# KiCad board UFC_Main.kicad_pcb (continued)
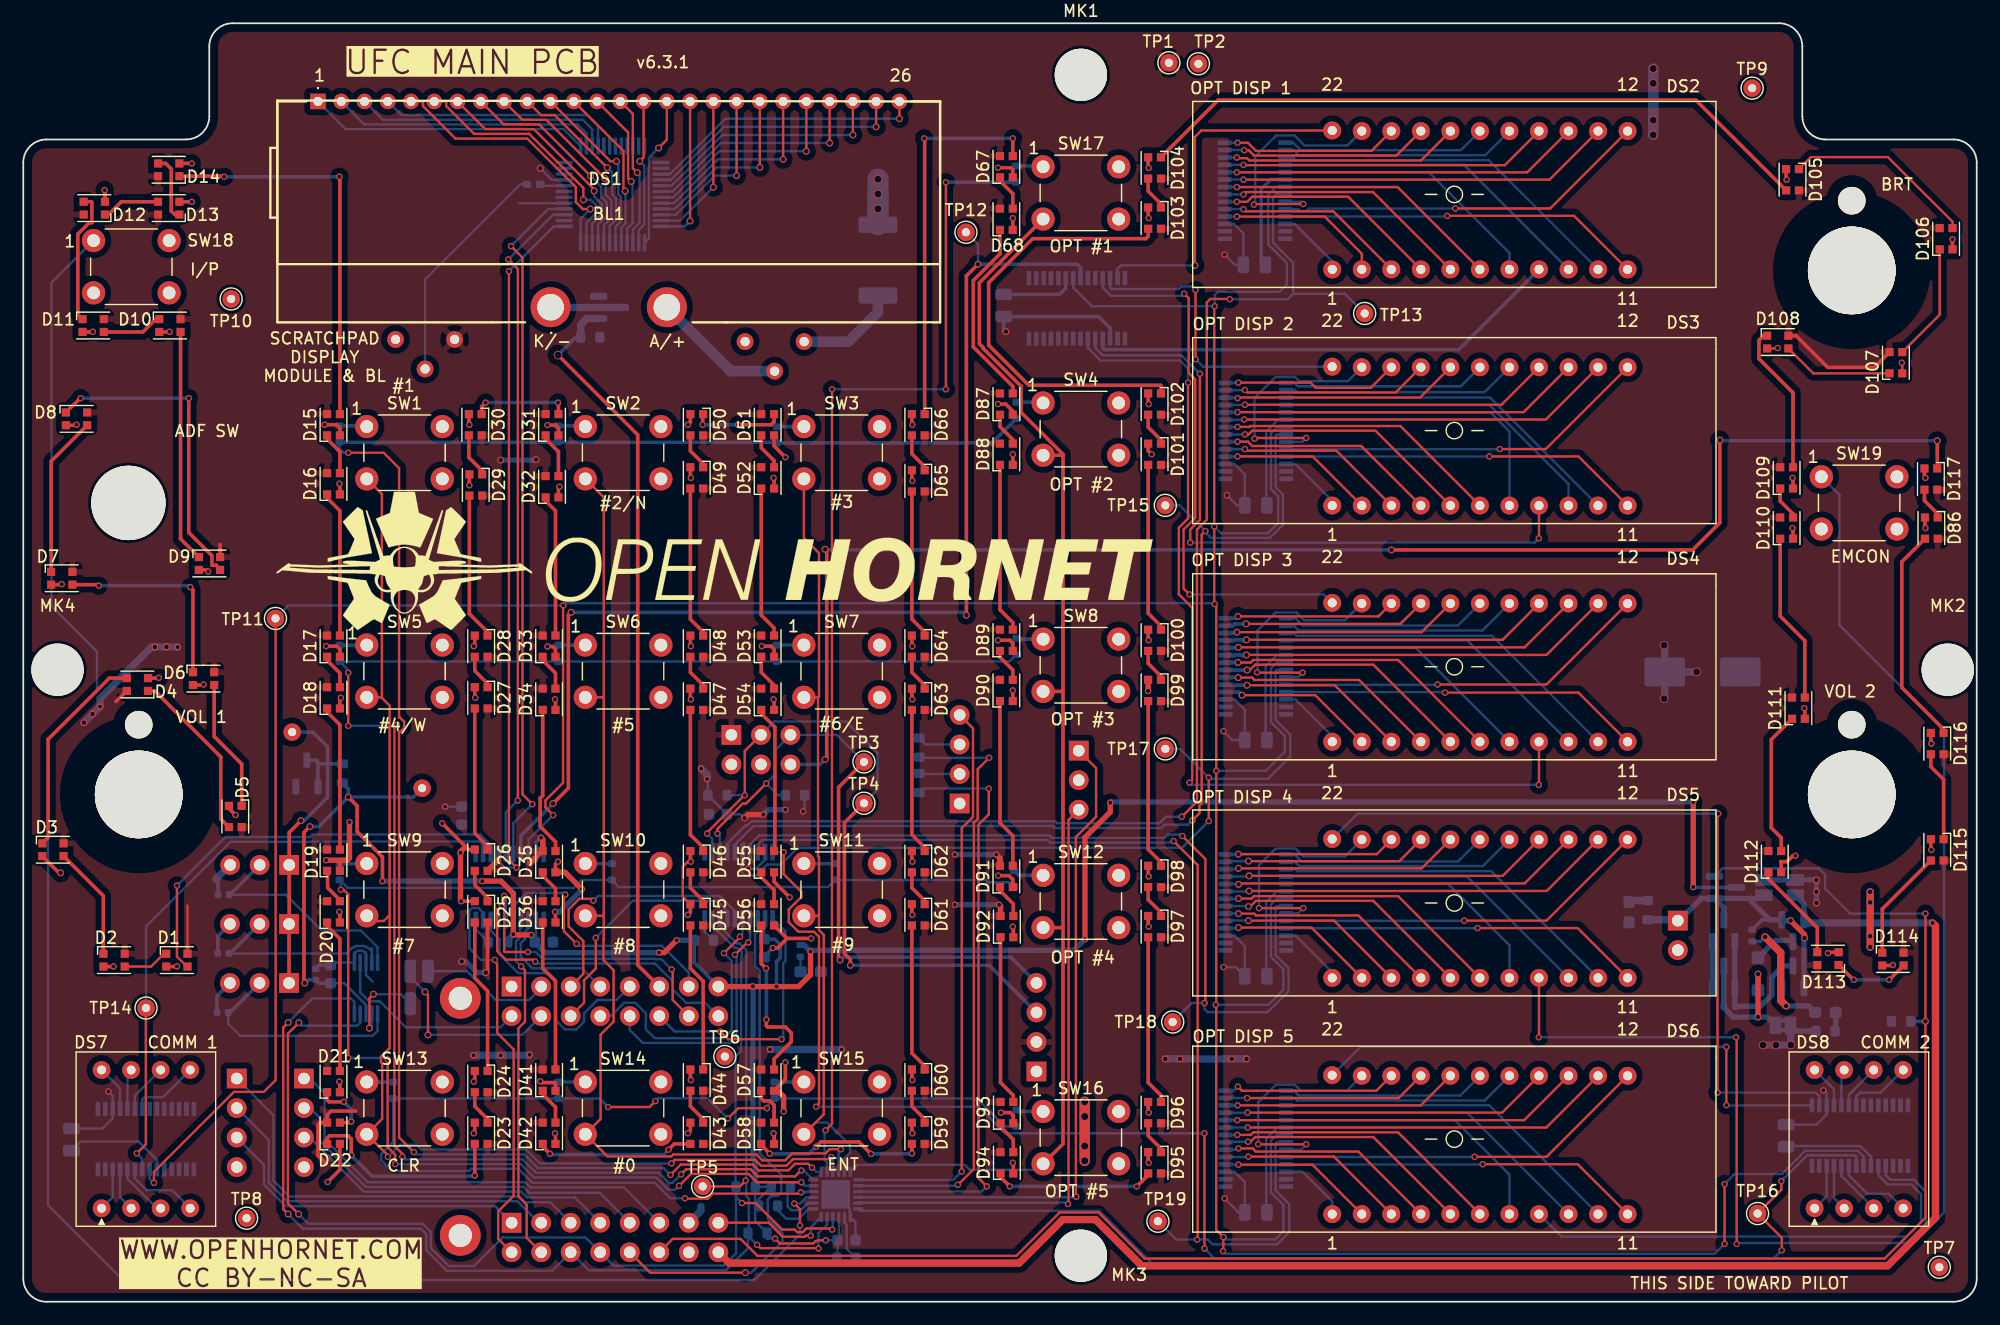
[diagram p0: board, top side]
## Library data of the parts (continued)
R5 = -: Datasheet: https://datasheet.lcsc.com/szlcsc/1811062009_UNI-ROYAL-Uniroyal-Elec-0603WAF1002T5E_C25804.pdf; LCSC: C25804; PN: 0603WAF1002T5E; Manufacturer PN: 0603WAF1002T5E; ki_fp_filters: R_*
R6 R14 = -: Datasheet: https://jlcpcb.com/partdetail/26484-0402WGF1003TCE/C25741; LCSC: C25741; Manufacturer PN: 0402WGF1003TCE; PN: 0402WGF1003TCE; ki_fp_filters: R_*
R13 R43-R45 = -: Datasheet: https://datasheet.lcsc.com/szlcsc/Uniroyal-Elec-0603WAF1200T5E_C22787.pdf; LCSC: C22787; Manufacturer PN: 0603WAF1200T5E; PN: 0603WAF1200T5E; ki_fp_filters: R_*
R15 = -: Datasheet: https://datasheet.lcsc.com/szlcsc/Uniroyal-Elec-0603WAF1200T5E_C22787.pdf; LCSC: C22787; PN: 0603WAF1200T5E; Manufacturer PN: 0603WAF1200T5E; ki_fp_filters: R_*
R46 = -: Datasheet: https://datasheet.lcsc.com/szlcsc/Uniroyal-Elec-0402WGF2001TCE_C4109.pdf; LCSC: C25105; Manufacturer PN: 0402WGF330JTCE; PN: 0402WGF330JTCE; ki_fp_filters: R_*
RV1 = -: Datasheet: https://www.bourns.com/docs/Product-Datasheets/3386.pdf; Description: Trim-potentiometer; Manufacturer PN: 3386P-1-102LF; PN: 3386P-1-102LF; ki_fp_filters: Potentiometer*
RV2 = -: Datasheet: https://www.bourns.com/docs/Product-Datasheets/3386.pdf; Description: Trim-potentiometer; Manufacturer PN: 3386P-1-103LF; PN: 3386P-1-103LF; ki_fp_filters: Potentiometer*
SW1 = -: Datasheet: https://omronfs.omron.com/en_US/ecb/products/pdf/en-b3f.pdf; Position: 1 SW
SW2 = -: Datasheet: https://omronfs.omron.com/en_US/ecb/products/pdf/en-b3f.pdf; Position: 2/N SW
SW3 = -: Datasheet: https://omronfs.omron.com/en_US/ecb/products/pdf/en-b3f.pdf; Position: 3 SW
SW4 = -: Datasheet: https://omronfs.omron.com/en_US/ecb/products/pdf/en-b3f.pdf; Position: OP2 SW
SW5 = -: Datasheet: https://omronfs.omron.com/en_US/ecb/products/pdf/en-b3f.pdf; Position: 4/W SW
SW6 = -: Datasheet: https://omronfs.omron.com/en_US/ecb/products/pdf/en-b3f.pdf; Position: 5 SW
SW7 = -: Datasheet: https://omronfs.omron.com/en_US/ecb/products/pdf/en-b3f.pdf; Position: 6/E SW
SW8 = -: Datasheet: https://omronfs.omron.com/en_US/ecb/products/pdf/en-b3f.pdf; Position: OP3 SW
SW9 = -: Datasheet: https://omronfs.omron.com/en_US/ecb/products/pdf/en-b3f.pdf; Position: 7 SW
SW10 = -: Datasheet: https://omronfs.omron.com/en_US/ecb/products/pdf/en-b3f.pdf; Position: 8/S SW
SW11 = -: Datasheet: https://omronfs.omron.com/en_US/ecb/products/pdf/en-b3f.pdf; Position: 9 SW
SW12 = -: Datasheet: https://omronfs.omron.com/en_US/ecb/products/pdf/en-b3f.pdf; Position: OP4 SW
SW13 = -: Datasheet: https://omronfs.omron.com/en_US/ecb/products/pdf/en-b3f.pdf; Position: CLR SW
SW14 = -: Datasheet: https://omronfs.omron.com/en_US/ecb/products/pdf/en-b3f.pdf; Position: 0 SW
SW15 = -: Datasheet: https://omronfs.omron.com/en_US/ecb/products/pdf/en-b3f.pdf; Position: ENT SW
SW16 = -: Datasheet: https://omronfs.omron.com/en_US/ecb/products/pdf/en-b3f.pdf; Position: OP5 SW
SW17 = -: Datasheet: https://omronfs.omron.com/en_US/ecb/products/pdf/en-b3f.pdf; Position: OP1 SW
SW18 = -: Datasheet: https://omronfs.omron.com/en_US/ecb/products/pdf/en-b3f.pdf; Position: I/P SW
SW19 = -: Datasheet: https://omronfs.omron.com/en_US/ecb/products/pdf/en-b3f.pdf; Position: EMCON SW
TP1-TP21 = -: ki_fp_filters: Pin* Test*
U1 = -: Datasheet: https://datasheet.lcsc.com/lcsc/1809121513_Holtek-Semicon-HT1621B_C7532.pdf; LCSC: C7532
U2-U7 U11 U12 = -: Datasheet: https://datasheet.lcsc.com/lcsc/2103051837_GN-Semic-GN1640T_C2758330.pdf; LCSC: C2758330
U8 U9 = -: Datasheet: www.ti.com/lit/ds/symlink/txs0108e.pdf; LCSC: C17206; ki_fp_filters: *SSOP*4.4x6.5mm*P0.65mm*
U10 = -: Datasheet: https://www.ti.com/lit/ds/symlink/tca8418.pdf; LCSC: C138713
U13 = -: Datasheet: http://www.ti.com/lit/ds/symlink/ads1113.pdf; Description: Ultra-Small, Low-Power, I2C-Compatible, 860-SPS, 16-Bit ADCs With Internal Reference, Oscillator, and Programmable Comparator, VSSOP-10; LCSC: C37593; ki_fp_filters: TSSOP*3x3mm*P0.5mm*
U14 = -: Datasheet: https://www.analog.com/media/en/technical-documentation/data-sheets/ADR5040_5041_5043_5044_5045.pdf; Description: IC VREF SHUNT 0.2%, 2.048V 15mA; LCSC: C144273

## Footprints (pads in the part's own frame, mm; a bottom-side part is the same pattern mirrored in y, then rotated)
BR10K_Pot_11mm_x_11mm
  round 7.541 hole 7.54 unplated: (0,0) (0,0)
  round 2.381 hole 2.38 unplated: (0,-6)
C_0402_1005Metric
  rrect 0.56x0.62 smd: 1(-0.48,0) 2(0.48,0)
C_0402_1005Metric_Pad0.74x0.62mm_HandSolder
  rrect 0.735x0.62 smd: 1(-0.568,0) 2(0.568,0)
C_0603_1608Metric
  rrect 0.9x0.95 smd: 1(-0.775,0) 2(0.775,0)
C_0805_2012Metric
  rrect 1x1.45 smd: 1(-0.95,0) 2(0.95,0)
CP_Elec_8x10
  rrect 3.5x2.5 smd: 1(-3.25,0) 2(3.25,0)
D_SOD-123F
  rrect 1.1x1.1 smd: 1(-1.4,0) 2(1.4,0)
D_SOD-523
  rrect 0.6x0.7 smd: 1(-0.7,0) 2(0.7,0)
LED_0603_1608Metric_Pad1.05x0.95mm_HandSolder
  rrect 1.05x0.95 smd: 1(-0.875,0) 2(0.875,0)
LED_WS2812B-2020_PLCC4_2.0x2.0mm
  rect 0.7x0.7 smd: 1(-0.915,0.55) 2(-0.915,-0.55) 3(0.915,-0.55) 4(0.915,0.55)
LQFP-48_7x7mm_P0.5mm
  rrect 1.475x0.3 smd: 1(-4.162,2.75) 2(-4.162,2.25) 3(-4.162,1.75) 4(-4.162,1.25) 5(-4.162,0.75) 6(-4.162,0.25) 7(-4.162,-0.25) 8(-4.162,-0.75) 9(-4.162,-1.25) 10(-4.162,-1.75) 11(-4.162,-2.25) 12(-4.162,-2.75) 25(4.162,-2.75) 26(4.162,-2.25) 27(4.162,-1.75) 28(4.162,-1.25) 29(4.162,-0.75) 30(4.162,-0.25) 31(4.162,0.25) 32(4.162,0.75) 33(4.162,1.25) 34(4.162,1.75) 35(4.162,2.25) 36(4.162,2.75)
  rrect 0.3x1.475 smd: 13(-2.75,-4.162) 14(-2.25,-4.162) 15(-1.75,-4.162) 16(-1.25,-4.162) 17(-0.75,-4.162) 18(-0.25,-4.162) 19(0.25,-4.162) 20(0.75,-4.162) 21(1.25,-4.162) 22(1.75,-4.162) 23(2.25,-4.162) 24(2.75,-4.162) 37(2.75,4.162) 38(2.25,4.162) 39(1.75,4.162) 40(1.25,4.162) 41(0.75,4.162) 42(0.25,4.162) 43(-0.25,4.162) 44(-0.75,4.162) 45(-1.25,4.162) 46(-1.75,4.162) 47(-2.25,4.162) 48(-2.75,4.162)
MountingHole_4.5mm
  round 4.5 hole 4.5 unplated: (0,0)
MountingHole_6.4mm_M6
  round 6.4 hole 6.4 unplated: (0,0)
Omron_B3F-1026
  round 2 hole 1.1: 1(0,0) 2(6.5,0) 3(0,-4.5) 4(6.5,-4.5)
PinHeader_1x02_P2.54mm_Vertical
  rect 1.7x1.7 hole 1: 1(0,0)
  oval 1.7x1.7 hole 1: 2(0,-2.54)
PinHeader_1x03_P2.54mm_Vertical
  rect 1.7x1.7 hole 1: 1(0,0)
  oval 1.7x1.7 hole 1: 2(0,-2.54) 3(0,-5.08)
PinHeader_1x04_P2.54mm_Vertical
  rect 1.7x1.7 hole 1: 1(0,0)
  oval 1.7x1.7 hole 1: 2(0,-2.54) 3(0,-5.08) 4(0,-7.62)
PinHeader_2x03_P2.54mm_Vertical
  rect 1.7x1.7 hole 1: 1(0,0)
  oval 1.7x1.7 hole 1: 2(2.54,0) 3(0,-2.54) 4(2.54,-2.54) 5(0,-5.08) 6(2.54,-5.08)
Potentiometer_Bourns_3386P_Vertical
  round 1.44 hole 0.8: 1(0,0) 2(2.54,2.54) 3(0,5.08)
R_0402_1005Metric
  rrect 0.54x0.64 smd: 1(-0.51,0) 2(0.51,0)
R_0603_1608Metric
  rrect 0.8x0.95 smd: 1(-0.825,0) 2(0.825,0)
R_2512_6332Metric_Pad1.40x3.35mm_HandSolder
  rrect 1.4x3.35 smd: 1(-3.05,0) 2(3.05,0)
S2_MINI
  rect 1.7x1.7 hole 1: 1(-11.43,11.43) 17(8.89,11.43)
  oval 1.7x1.7 hole 1: 2(-11.43,8.89) 3(-11.43,6.35) 4(-11.43,3.81) 5(-11.43,1.27) 6(-11.43,-1.27) 7(-11.43,-3.81) 8(-11.43,-6.35) 9(-8.89,11.43) 10(-8.89,8.89) 11(-8.89,6.35) 12(-8.89,3.81) 13(-8.89,1.27) 14(-8.89,-1.27) 15(-8.89,-3.81) 16(-8.89,-6.35) 18(8.89,8.89) 19(8.89,6.35) 20(8.89,3.81) 21(8.89,1.27) 22(8.89,-1.27) 23(8.89,-3.81) 24(8.89,-6.35) 25(11.43,11.43) 26(11.43,8.89) 27(11.43,6.35) 28(11.43,3.81) 29(11.43,1.27) 30(11.43,-1.27) 31(11.43,-3.81) 32(11.43,-6.35)
  round 3.5 hole 2: ~(-10.42,15.84) ~(9.98,15.84)
SCRATCHPADBACKLIGHT
  round 3.435 hole 2.29: 1(0,0) 2(10,0)
SCRATCHPADLCD
  rect 1.337x1.337 hole 0.78: 1(0,0)
  round 1.337 hole 0.78: 2(2,0) 3(4,0) 4(6,0) 5(8,0) 6(10,0) 7(12,0) 8(14,0) 9(16,0) 10(18,0) 11(20,0) 12(22,0) 13(24,0) 14(26,0) 15(28,0) 16(30,0) 17(32,0) 18(34,0) 19(36,0) 20(38,0) 21(40,0) 22(42,0) 23(44,0) 24(46,0) 25(48,0) 26(50,0)
SolderJumper-2_P1.3mm_Bridged2Bar_Pad1.0x1.5mm
  rect 1x1.5 smd: 1(-0.65,0) 2(0.65,0)
SolderJumper-2_P1.3mm_Open_Pad1.0x1.5mm
  rect 1x1.5 smd: 1(-0.65,0) 2(0.65,0)
SolderWirePad_1x01_SMD_1x2mm
  rrect 1x2 smd: 1(0,0)
SOT-23
  rrect 1.475x0.6 smd: 1(-0.938,0.95) 2(-0.938,-0.95) 3(0.938,0)
SOT-23-3
  rrect 1.325x0.6 smd: 1(-1.137,0.95) 2(-1.137,-0.95) 3(1.137,0)
SSOP-28_3.9x9.9mm_P0.635mm
  rect 1.2x0.4 smd: 1(-2.6,4.128) 2(-2.6,3.493) 3(-2.6,2.857) 4(-2.6,2.223) 5(-2.6,1.587) 6(-2.6,0.953) 7(-2.6,0.318) 8(-2.6,-0.318) 9(-2.6,-0.953) 10(-2.6,-1.587) 11(-2.6,-2.223) 12(-2.6,-2.857) 13(-2.6,-3.493) 14(-2.6,-4.128) 15(2.6,-4.128) 16(2.6,-3.493) 17(2.6,-2.857) 18(2.6,-2.223) 19(2.6,-1.587) 20(2.6,-0.953) 21(2.6,-0.318) 22(2.6,0.318) 23(2.6,0.953) 24(2.6,1.587) 25(2.6,2.223) 26(2.6,2.857) 27(2.6,3.493) 28(2.6,4.128)
TestPoint_THTPad_D1.5mm_Drill0.7mm
  round 1.5 hole 0.7: 1(0,0)
TSSOP-20_4.4x6.5mm_P0.65mm
  rrect 1.475x0.4 smd: 1(-2.862,2.925) 2(-2.862,2.275) 3(-2.862,1.625) 4(-2.862,0.975) 5(-2.862,0.325) 6(-2.862,-0.325) 7(-2.862,-0.975) 8(-2.862,-1.625) 9(-2.862,-2.275) 10(-2.862,-2.925) 11(2.862,-2.925) 12(2.862,-2.275) 13(2.862,-1.625) 14(2.862,-0.975) 15(2.862,-0.325) 16(2.862,0.325) 17(2.862,0.975) 18(2.862,1.625) 19(2.862,2.275) 20(2.862,2.925)
UFCOptionDigitV3
  round 1.544 hole 0.782: 1(-10.495,-6.45) 2(-7.955,-6.45) 3(-5.415,-6.45) 4(-2.875,-6.45) 5(-0.335,-6.45) 6(2.205,-6.45) 7(4.745,-6.45) 8(7.285,-6.45) 9(9.825,-6.45) 10(12.365,-6.45) 11(14.905,-6.45) 12(14.905,5.45) 13(12.365,5.45) 14(9.825,5.45) 15(7.285,5.45) 16(4.745,5.45) 17(2.205,5.45) 18(-0.335,5.45) 19(-2.875,5.45) 20(-5.415,5.45) 21(-7.955,5.45) 22(-10.5,5.5)
UFCSingleDigit
  round 1.524 hole 0.762: 1(-3.81,-5.95) 2(-1.27,-5.95) 3(1.27,-5.95) 4(3.81,-5.95) 5(3.81,5.95) 6(1.27,5.95) 7(-1.27,5.95) 8(-3.81,5.95)
VSSOP-10_3x3mm_P0.5mm
  rrect 1.45x0.3 smd: 1(-2.2,1) 2(-2.2,0.5) 3(-2.2,0) 4(-2.2,-0.5) 5(-2.2,-1) 6(2.2,-1) 7(2.2,-0.5) 8(2.2,0) 9(2.2,0.5) 10(2.2,1)
WQFN-24-1EP_4x4mm_P0.5mm_EP2.45x2.45mm
  rrect 0.99x0.99 smd: (-0.61,-0.61) (-0.61,0.61) (0.61,-0.61) (0.61,0.61)
  rrect 0.875x0.3 smd: 1(-1.938,1.25) 2(-1.938,0.75) 3(-1.938,0.25) 4(-1.938,-0.25) 5(-1.938,-0.75) 6(-1.938,-1.25) 13(1.938,-1.25) 14(1.938,-0.75) 15(1.938,-0.25) 16(1.938,0.25) 17(1.938,0.75) 18(1.938,1.25)
  rrect 0.3x0.875 smd: 7(-1.25,-1.938) 8(-0.75,-1.938) 9(-0.25,-1.938) 10(0.25,-1.938) 11(0.75,-1.938) 12(1.25,-1.938) 19(1.25,1.938) 20(0.75,1.938) 21(0.25,1.938) 22(-0.25,1.938) 23(-0.75,1.938) 24(-1.25,1.938)
  rect 2.45x2.45 smd: 25(0,0)

## Nets
+2V5: J3.1 J4.1 J8.1 R15.2 TP21.1 U14.1 U14.3
+3V3: C7.2 C9.2 C11.2 C18.2 C19.2 MC1.8 Q5.3 R4.1 R7.2 R8.2 R9.1 R10.2 R15.1 R40.2 R41.2 R46.1 TP20.1 U8.2 U9.2 U10.21 U13.8
+5V: C1.2 C2.2 C3.2 C4.2 C10.2 C12.2 C13.2 C14.1 C15.2 C16.2 C17.2 D1.4 D2.4 D3.4 D4.4 D5.4 D6.4 D7.4 D8.4 D9.4 D10.4 D11.4 D12.4 D13.4 D14.4 D15.4 D16.4 D17.4 D18.4 D19.4 D20.4 D21.4 D22.4 D23.4 D24.4 D25.4 D26.4 D27.4 D28.4 D29.4 D30.4 D31.4 D32.4 D33.4 D34.4 D35.4 D36.4 D41.4 D42.4 D43.4 D44.4 D45.4 D46.4 D47.4 D48.4 D49.4 D50.4 D51.4 D52.4 D53.4 D54.4 D55.4 D56.4 D57.4 D58.4 D59.4 D60.4 D61.4 D62.4 D63.4 D64.4 D65.4 D66.4 D67.4 D68.4 D86.4 D87.4 D88.4 D89.4 D90.4 D91.4 D92.4 D93.4 D94.4 D95.4 D96.4 D97.4 D98.4 D99.4 D100.4 D101.4 D102.4 D103.4 D104.4 D105.4 D106.4 D107.4 D108.4 D109.4 D110.4 D111.4 D112.4 D113.4 D114.4 D115.4 D116.4 D117.4 J5.1 J13.2 JP1.2 JP2.2 JP3.2 R1.2 R11.1 R12.2 R45.1 RV2.1 TP1.1 U1.9 U2.17 U3.17 U4.17 U5.17 U6.17 U7.17 U8.19 U9.19 U11.17 U12.17
GND: C1.1 C2.1 C3.1 C4.1 C5.1 C6.1 C7.1 C8.1 C9.1 C10.1 C11.1 C12.1 C13.1 C14.2 C15.1 C16.1 C17.1 C18.1 C19.1 D1.2 D2.2 D3.2 D4.2 D5.2 D6.2 D7.2 D8.2 D9.2 D10.2 D11.2 D12.2 D13.2 D14.2 D15.2 D16.2 D17.2 D18.2 D19.2 D20.2 D21.2 D22.2 D23.2 D24.2 D25.2 D26.2 D27.2 D28.2 D29.2 D30.2 D31.2 D32.2 D33.2 D34.2 D35.2 D36.2 D37.1 D38.1 D40.1 D41.2 D42.2 D43.2 D44.2 D45.2 D46.2 D47.2 D48.2 D49.2 D50.2 D51.2 D52.2 D53.2 D54.2 D55.2 D56.2 D57.2 D58.2 D59.2 D60.2 D61.2 D62.2 D63.2 D64.2 D65.2 D66.2 D67.2 D68.2 D86.2 D87.2 D88.2 D89.2 D90.2 D91.2 D92.2 D93.2 D94.2 D95.2 D96.2 D97.2 D98.2 D99.2 D100.2 D101.2 D102.2 D103.2 D104.2 D105.2 D106.2 D107.2 D108.2 D109.2 D110.2 D111.2 D112.2 D113.2 D114.2 D115.2 D116.2 D117.2 J1.2 J2.4 J3.3 J4.3 J5.2 J5.4 J6.1 J7.4 J8.3 J9.2 J13.1 MC1.23 MC1.31 Q2.2 Q8.2 R3.1 R5.2 R6.2 RV1.3 RV2.3 SW18.3 SW19.3 TP2.1 TP7.1 TP8.1 TP9.1 TP10.1 U1.5 U2.6 U3.6 U4.6 U5.6 U6.6 U7.6 U8.11 U9.11 U10.19 U10.25 U11.6 U12.6 U13.1 U13.3 U14.2
VBUS: JP3.1 MC1.32 Q4.2
VCC: J1.1 JP2.1 Q4.1 Q5.1 Q6.3 Q8.1 R6.1 R13.1
VCC_SNS@3.3V: MC1.30 Q5.2 R5.1
/1A: DS2.20 U2.28
/1B: DS2.19 U2.27
/1C: DS2.18 U2.26
/1D: DS2.2 U2.18
/1DP: DS2.8 U12.18
/1E: DS2.3 U2.19
/1F: DS2.4 U2.20
/1G: DS2.5 U2.21
/1H: DS2.6 U2.22
/1I: DS2.13 U2.23
/1J: DS2.14 U2.24
/1K: DS2.15 U2.25
/1L: DS2.16 U2.2
/1M: DS2.17 U2.1
/1N: DS2.9 U2.4
/1O: DS2.10 U2.3
/1P: DS2.7 U2.5
/2A: DS3.20 U3.28
/2B: DS3.19 U3.27
/2C: DS3.18 U3.26
/2D: DS3.2 U3.18
/2DP: DS3.8 U12.19
/2E: DS3.3 U3.19
/2F: DS3.4 U3.20
/2G: DS3.5 U3.21
/2H: DS3.6 U3.22
/2I: DS3.13 U3.23
/2J: DS3.14 U3.24
/2K: DS3.15 U3.25
/2L: DS3.16 U3.2
/2M: DS3.17 U3.1
/2N: DS3.9 U3.4
/2O: DS3.10 U3.3
/2P: DS3.7 U3.5
/3A: DS4.20 U4.28
/3B: DS4.19 U4.27
/3C: DS4.18 U4.26
/3D: DS4.2 U4.18
/3DP: DS4.8 U12.20
/3E: DS4.3 U4.19
/3F: DS4.4 U4.20
/3G: DS4.5 U4.21
/3H: DS4.6 U4.22
/3I: DS4.13 U4.23
/3J: DS4.14 U4.24
/3K: DS4.15 U4.25
/3L: DS4.16 U4.2
/3M: DS4.17 U4.1
/3N: DS4.9 U4.4
/3O: DS4.10 U4.3
/3P: DS4.7 U4.5
/4A: DS5.20 U7.28
/4B: DS5.19 U7.27
/4C: DS5.18 U7.26
/4D: DS5.2 U7.18
/4DP: DS5.8 U5.4
/4E: DS5.3 U7.19
/4F: DS5.4 U7.20
/4G: DS5.5 U7.21
/4H: DS5.6 U7.22
/4I: DS5.13 U7.23
/4J: DS5.14 U7.24
/4K: DS5.15 U7.25
/4L: DS5.16 U7.2
/4M: DS5.17 U7.1
/4N: DS5.9 U7.4
/4O: DS5.10 U7.3
/4P: DS5.7 U7.5
/5A: DS6.20 U11.28
/5B: DS6.19 U11.27
/5C: DS6.18 U11.26
/5D: DS6.2 U11.18
/5DP: DS6.8 U5.5
/5E: DS6.3 U11.19
/5F: DS6.4 U11.20
/5G: DS6.5 U11.21
/5H: DS6.6 U11.22
/5I: DS6.13 U11.23
/5J: DS6.14 U11.24
/5K: DS6.15 U11.25
/5L: DS6.16 U11.2
/5M: DS6.17 U11.1
/5N: DS6.9 U11.4
/5O: DS6.10 U11.3
/5P: DS6.7 U11.5
/ADF1: J9.1 U10.16
/ADF2: J9.3 U10.17
/AIN0: C6.2 J8.2 U13.4
/AIN1: C5.2 J3.2 U13.5
/AIN2: C8.2 J4.2 U13.6
/BIT_SW: J6.4 U10.13
/BL_DATA2: D8.1 D9.3
/BL_DATA3: D16.1 D17.3
/BL_DATA4: D24.1 D25.3
/BL_DATA5: D32.1 D33.3
/BL_DATA6: D44.1 D45.3
/BL_DATA7: D52.1 D53.3
/BL_DATA8: D60.1 D61.3
/BL_DATA9: D68.1 D87.3
/BL_DATA10: D93.1 D94.3
/BL_DATA11: D101.1 D102.3
/BL_DATA12: D109.1 D110.3
/C1_GRID1: DS7.8 U6.18
/C1_GRID2: DS7.7 U6.19
/C1_GRID3: DS7.6 U6.20
/C1_GRID4: DS7.5 U6.21
/C1_SEG1: DS7.4 U6.9
/C1_SEG2: DS7.3 U6.10
/C1_SEG3: DS7.2 U6.11
/C1_SEG4: DS7.1 U6.12
/C_GRID1: DS8.8 U5.18
/C_GRID2: DS8.7 U5.19
/C_GRID3: DS8.6 U5.20
/C_GRID4: DS8.5 U5.21
/C_SEG1: DS8.4 U5.9
/C_SEG2: DS8.3 U5.10
/C_SEG3: DS8.2 U5.11
/C_SEG4: DS8.1 U5.12
/COL0: SW1.3 SW5.3 SW9.3 SW13.3 U10.9
/COL1: SW2.3 SW6.3 SW10.3 SW14.3 U10.10
/COL2: SW3.3 SW7.3 SW11.3 SW15.3 U10.11
/COL3: SW4.3 SW8.3 SW12.3 SW16.3 SW17.3 U10.12
/COM0: DS1.1 U1.13
/COM1: DS1.2 U1.14
/COM2: DS1.3 U1.15
/COM3: DS1.4 U1.16
/GO_LED: J6.2 R44.2
/NOGO_LED: J6.3 R43.2
/OP1D1: DS2.1 U2.12
/OP1D2: DS2.21 U2.9
/OP1D3: DS2.12 U2.10
/OP1D4: DS2.11 U2.11
/OP1D5: DS2.22 U12.13
/OP2D1: DS3.1 U3.12
/OP2D2: DS3.21 U3.9
/OP2D3: DS3.12 U3.10
/OP2D4: DS3.11 U3.11
/OP2D5: DS3.22 U12.12
/OP3D1: DS4.1 U4.12
/OP3D2: DS4.21 U4.9
/OP3D3: DS4.12 U4.10
/OP3D4: DS4.11 U4.11
/OP3D5: DS4.22 U12.11
/OP4D1: DS5.1 U7.12
/OP4D2: DS5.21 U7.9
/OP4D3: DS5.12 U7.10
/OP4D4: DS5.11 U7.11
/OP4D5: DS5.22 U5.16
/OP5D1: DS6.1 U11.12
/OP5D2: DS6.21 U11.9
/OP5D3: DS6.12 U11.10
/OP5D4: DS6.11 U11.11
/OP5D5: DS6.22 U5.15
/ROW0: D69.2 U10.8
/ROW1: D70.2 D71.2 D72.2 D73.2 U10.7
/ROW2: D74.2 D75.2 D76.2 D77.2 U10.6
/ROW3: D78.2 D79.2 D80.2 D81.2 U10.5
/ROW4: D82.2 D83.2 D84.2 D85.2 U10.4
/SEG0: DS1.5 U1.48
/SEG1: DS1.6 U1.47
/SEG2: DS1.7 U1.46
/SEG3: DS1.8 U1.45
/SEG4: DS1.9 U1.44
/SEG5: DS1.10 U1.43
/SEG6: DS1.11 U1.42
/SEG7: DS1.12 U1.41
/SEG8: DS1.13 U1.40
/SEG9: DS1.14 U1.39
/SEG10: DS1.15 U1.38
/SEG11: DS1.16 U1.37
/SEG12: DS1.17 U1.36
/SEG13: DS1.18 U1.35
/SEG14: DS1.19 U1.34
/SEG15: DS1.20 U1.33
/SEG16: DS1.21 U1.32
/SEG17: DS1.22 U1.31
/SEG18: DS1.23 U1.30
/SEG19: DS1.24 U1.29
/SEG20: DS1.25 U1.28
/SEG21: DS1.26 U1.27
/SW13: SW18.1 U10.3
/SW19: SW19.1 U10.18
ADC_RDY@3.3V: MC1.9 U13.2
COM1_CLK: TP14.1 U6.8 U9.12
COM1_CLK@3.3V: MC1.25 U9.9
COM2_CLK: TP16.1 U5.8 U8.20
COM2_CLK@3.3V: MC1.14 U8.1
CUE_CLK: TP12.1 U9.17 U12.8
CUE_CLK@3.3V: MC1.26 U9.4
DIO: TP11.1 U2.7 U3.7 U4.7 U5.7 U6.7 U7.7 U9.18 U11.7 U12.7
DIO@3.3V: MC1.4 U9.3
ENC1+: J2.1 MC1.19
ENC1-: J2.2 MC1.18
ENC1PB: J2.3 MC1.17
ENC2+: J7.1 MC1.22
ENC2-: J7.2 MC1.21
ENC2PB: J7.3 MC1.20
IO_INT: MC1.24 U10.24
KB_BL: D117.1 J5.6
OP1_CLK: TP13.1 U2.8 U8.14
OP1_CLK@3.3V: MC1.11 U8.7
OP2_CLK: TP15.1 U3.8 U8.15
OP2_CLK@3.3V: MC1.3 U8.6
OP3_CLK: TP17.1 U4.8 U8.16
OP3_CLK@3.3V: MC1.12 U8.5
OP4_CLK: TP18.1 U7.8 U8.17
OP4_CLK@3.3V: MC1.13 U8.4
OP5_CLK: TP19.1 U8.18 U11.8
OP5_CLK@3.3V: MC1.29 U8.3
PNL_BL: D1.3 U9.13
PNL_BL@3.3V: MC1.5 U9.8
SCL: J5.5 J13.4 R11.2 TP3.1 U8.13
SCL@3.3V: MC1.27 R10.1 TP5.1 U8.8 U10.23 U13.10
SCR_BL@3.3V: MC1.6 Q2.1 R3.2
SCRCS: U1.1 U9.14
SCRCS@3.3V: MC1.16 U9.7
SCRDATA: U1.4 U9.16
SCRDATA@3.3V: MC1.7 U9.5
SCRWR: U1.3 U9.15
SCRWR@3.3V: MC1.15 U9.6
SDA: J5.3 J13.3 R12.1 TP4.1 U8.12
SDA@3.3V: MC1.28 R9.2 TP6.1 U8.9 U10.22 U13.9
Net-(BL1-A): BL1.2 RV1.2
Net-(BL1-K): BL1.1 Q2.3
Net-(D1-DOUT): D1.1 D2.3
Net-(D2-DOUT): D2.1 D3.3
Net-(D3-DOUT): D3.1 D4.3
Net-(D4-DOUT): D4.1 D5.3
Net-(D5-DOUT): D5.1 D6.3
Net-(D6-DOUT): D6.1 D7.3
Net-(D7-DOUT): D7.1 D8.3
Net-(D10-DIN): D9.1 D10.3
Net-(D10-DOUT): D10.1 D11.3
Net-(D11-DOUT): D11.1 D12.3
Net-(D12-DOUT): D12.1 D13.3
Net-(D13-DOUT): D13.1 D14.3
Net-(D14-DOUT): D14.1 D15.3
Net-(D15-DOUT): D15.1 D16.3
Net-(D17-DOUT): D17.1 D18.3
Net-(D18-DOUT): D18.1 D19.3
Net-(D19-DOUT): D19.1 D20.3
Net-(D20-DOUT): D20.1 D21.3
Net-(D21-DOUT): D21.1 D22.3
Net-(D22-DOUT): D22.1 D23.3
Net-(D23-DOUT): D23.1 D24.3
Net-(D25-DOUT): D25.1 D26.3
Net-(D26-DOUT): D26.1 D27.3
Net-(D27-DOUT): D27.1 D28.3
Net-(D28-DOUT): D28.1 D29.3
Net-(D29-DOUT): D29.1 D30.3
Net-(D30-DOUT): D30.1 D31.3
Net-(D31-DOUT): D31.1 D32.3
Net-(D33-DOUT): D33.1 D34.3
Net-(D34-DOUT): D34.1 D35.3
Net-(D35-DOUT): D35.1 D36.3
Net-(D36-DOUT): D36.1 D41.3
Net-(D37-A): D37.2 R45.2
Net-(D38-A): D38.2 R46.2
Net-(D39-A): D39.2 Q4.3
Net-(D39-K): D39.1 JP1.1 Q7.3 R14.1
Net-(D40-A): D40.2 R13.2
Net-(D41-DOUT): D41.1 D42.3
Net-(D42-DOUT): D42.1 D43.3
Net-(D43-DOUT): D43.1 D44.3
Net-(D45-DOUT): D45.1 D46.3
Net-(D46-DOUT): D46.1 D47.3
Net-(D47-DOUT): D47.1 D48.3
Net-(D48-DOUT): D48.1 D49.3
Net-(D49-DOUT): D49.1 D50.3
Net-(D50-DOUT): D50.1 D51.3
Net-(D51-DOUT): D51.1 D52.3
Net-(D53-DOUT): D53.1 D54.3
Net-(D54-DOUT): D54.1 D55.3
Net-(D55-DOUT): D55.1 D56.3
Net-(D56-DOUT): D56.1 D57.3
Net-(D57-DOUT): D57.1 D58.3
Net-(D58-DOUT): D58.1 D59.3
Net-(D59-DOUT): D59.1 D60.3
Net-(D61-DOUT): D61.1 D62.3
Net-(D62-DOUT): D62.1 D63.3
Net-(D63-DOUT): D63.1 D64.3
Net-(D64-DOUT): D64.1 D65.3
Net-(D65-DOUT): D65.1 D66.3
Net-(D66-DOUT): D66.1 D67.3
Net-(D67-DOUT): D67.1 D68.3
Net-(D69-K): D69.1 SW17.1
Net-(D70-K): D70.1 SW1.1
Net-(D71-K): D71.1 SW2.1
Net-(D72-K): D72.1 SW3.1
Net-(D73-K): D73.1 SW4.1
Net-(D74-K): D74.1 SW5.1
Net-(D75-K): D75.1 SW6.1
Net-(D76-K): D76.1 SW7.1
Net-(D77-K): D77.1 SW8.1
Net-(D78-K): D78.1 SW9.1
Net-(D79-K): D79.1 SW10.1
Net-(D80-K): D80.1 SW11.1
Net-(D81-K): D81.1 SW12.1
Net-(D82-K): D82.1 SW13.1
Net-(D83-K): D83.1 SW14.1
Net-(D84-K): D84.1 SW15.1
Net-(D85-K): D85.1 SW16.1
Net-(D87-DOUT): D87.1 D88.3
Net-(D88-DOUT): D88.1 D89.3
Net-(D89-DOUT): D89.1 D90.3
Net-(D90-DOUT): D90.1 D91.3
Net-(D91-DOUT): D91.1 D92.3
Net-(D92-DOUT): D92.1 D93.3
Net-(D94-DOUT): D94.1 D95.3
Net-(D95-DOUT): D95.1 D96.3
Net-(D96-DOUT): D96.1 D97.3
Net-(D97-DOUT): D97.1 D98.3
Net-(D98-DOUT): D98.1 D99.3
Net-(D100-DIN): D99.1 D100.3
Net-(D100-DOUT): D100.1 D101.3
Net-(D102-DOUT): D102.1 D103.3
Net-(D103-DOUT): D103.1 D104.3
Net-(D104-DOUT): D104.1 D105.3
Net-(D105-DOUT): D105.1 D106.3
Net-(D106-DOUT): D106.1 D107.3
Net-(D107-DOUT): D107.1 D108.3
Net-(D108-DOUT): D108.1 D109.3
Net-(D110-DOUT): D110.1 D111.3
Net-(D111-DOUT): D111.1 D112.3
Net-(D112-DOUT): D112.1 D113.3
Net-(D113-DOUT): D113.1 D114.3
Net-(D114-DOUT): D114.1 D115.3
Net-(D115-DOUT): D115.1 D116.3
Net-(D116-DOUT): D86.3 D116.1
Net-(D117-DIN): D86.1 D117.3
Net-(J10-Pin_1): J10.1 MC1.2
Net-(J11-Pin_1): J11.1 MC1.10
Net-(J12-Pin_1): J12.1 U13.7
Net-(Q6-G): Q6.1 Q7.1 Q8.3 R14.2
Net-(Q6-S): Q6.2 Q7.2
Net-(R1-Pad1): R1.1 RV1.1
Net-(R2-Pad1): R2.1 RV2.2
Net-(U1-VLCD): R2.2 U1.8
Net-(U8-OE): R40.1 U8.10
Net-(U9-OE): R41.1 U9.10
Net-(U10-COL5): R43.1 U10.14
Net-(U10-COL6): R44.1 U10.15
Net-(U10-RESET): R4.2 U10.20
Net-(U10-ROW6): R8.1 U10.2
Net-(U10-ROW7): R7.1 U10.1

Pads without a net: MC1 1 ~; SW1 2 4; SW2 2 4; SW3 2 4; SW4 2 4; SW5 2 4; SW6 2 4; SW7 2 4; SW8 2 4; SW9 2 4; SW10 2 4; SW11 2 4; SW12 2 4; SW13 2 4; SW14 2 4; SW15 2 4; SW16 2 4; SW17 2 4; SW18 2 4; SW19 2 4; U1 2 6 7 10 11 12 17 18 19 20 21 22 23 24 25 26; U2 13 14 15 16; U3 13 14 15 16; U4 13 14 15 16; U5 1 2 3 13 14 22 23 24 25 26 27 28; U6 1 2 3 4 5 13 14 15 16 22 23 24 25 26 27 28; U7 13 14 15 16; U9 1 20; U11 13 14 15 16; U12 1 2 3 4 5 9 10 14 15 16 21 22 23 24 25 26 27 28

## Via types
v1: diameter 0.55, hole 0.35, Top to Bottom, 344 vias
v2: diameter 0.6, hole 0.4, Top to Bottom, 98 vias
v3: diameter 0.732, hole 0.61, Top to Bottom, 18 vias

## Routing (per net, layer and track width the routed paths; a pad name or vN(x,y) marks a point on that pad's centre or on a via; arc(x,y) is an arc through that point)
+2V5: length 30.7
  Top w0.305: J4.1 J8.1 22.87,32.52 J3.1 22.87,40.38 v2(23.89,41.39)
  Bottom w0.305: 26.17,46.28 26.17,43.4 24.16,41.39 v2(23.89,41.39) ; 26.17,46.28 25.35,46.28 25.34,46.29 ; 26.17,46.28 26.17,47.74 24.9,49.01 TP21.1 ; 26.17,46.28 R15.2 ; 25.34,46.29 25.29,46.34 25.29,46.59 U14.3 ; 25.34,46.29 U14.1
+3V3: length 232.8
  Top w0.203: v1(64.66,5.43) 65.07,5.02 67.94,5.02 68.13,5.21 68.25,5.21 68.33,5.29 v1(69.01,5.29)
  Top w0.305: v2(27.95,43.43) 28.71,42.66 28.71,40.45 30.89,38.27 30.89,36.19 v1(30.89,36.19) ; v2(24.21,27.42) 24.14,27.49 24.14,40.38 v2(24.65,40.89)
  Top w0.457: v1(43.7,31.57) 42.2,31.57 v1(42.14,31.62) 42.14,35.13 41.09,36.19 v1(39.48,36.19) ; v1(91.31,31.2) 91.31,39.96 93.48,42.13 v1(93.48,42.94) ; v1(67.7,30.14) 67.7,28.14 66.68,27.12 v1(64.78,27.12) MC1.8 ; v1(143.62,35.68) v1(143.62,43) ; v1(54.67,30.04) 55.13,30.04 v1(56.2,31.11)
  Bottom w0.203: C7.2 70.02,3.81 ; C11.2 63.72,32.88 ; R7.2 63.23,8.8 R8.2 R9.1 62.95,6.94 R10.2 63.97,5.44 63.98,5.43 v1(64.66,5.43) ; v1(69.01,5.29) 70.02,5.29 ; U9.2 44.1,31.04 ; U13.8 29.48,25.54 27.61,27.41 C19.2 ; 70.15,7.27 70.15,5.42
  Bottom w0.305: C11.2 64.63,31.2 65.09,30.73 65.09,29.59 64.78,29.28 v1(64.78,27.12) ; v1(143.62,35.68) 143.65,35.65 147.39,35.65 ; v2(27.95,43.43) 25.41,40.89 v2(24.65,40.89) ; v2(27.95,43.43) 27.95,44.12 R15.1 ; v2(27.95,43.43) 33.54,43.43 TP20.1 ; R40.2 57.7,29.2 MC1.8 ; v2(24.21,27.42) 24.47,27.69 C18.2 25.44,27.41 C19.2
  Bottom w0.457: R9.1 62.95,12.06 62.75,12.26 v1(62.75,27.15) ; v1(56.2,31.11) 57.69,31.11 ; v1(143.62,43) 93.53,43 v1(93.48,42.94) ; v1(43.7,31.57) 44,31.26 C9.2 44.49,30.44 44.49,30.41 44.88,30.03 54.66,30.03 v1(54.67,30.04) ; v1(91.31,31.2) 90.34,30.23 67.79,30.23 v1(67.7,30.14) 67.14,30.71 R46.1 ; v1(39.48,36.19) v1(30.89,36.19) ; 41.66,31.14 v1(42.14,31.62)
+5V: length 185.8
  Top w0.203: D1.4 14.13,34.1
  Top w0.305: 28.59,16.4 26.47,16.4 26.13,16.07 D22.4 25.51,15.41 25.34,15.24 25.34,12.59 26.04,11.89 ; D107.4 159.18,80.39 155.19,80.39 152.46,83.12 D108.4 ; D25.4 39.93,28.47 v2(39.78,28.32) ; D4.4 8.88,52.56 7.97,51.65 ; D9.4 16.93,65.14
  Top w0.457: 44.67,39.79 v1(44.52,39.94) ; 44.67,39.79 D35.4 ; 44.67,39.79 44.67,38.84 43.55,37.71 ; v1(83.93,34.16) 84.04,34.05 D92.4 ; v1(63.65,41.91) 62.32,41.91 v1(62.03,41.62) ; v1(83.68,38.47) 84,38.15 D91.4 ; 39.93,37.09 40.85,38.02
  Bottom w0.203: v1(103.31,90.09) 104.18,89.22 C1.2 104.93,91.92 104.1,92.74 U2.17 ; v1(36.28,42.59) 36.29,42.6 C10.2 ; U8.19 63.8,38.03 63.03,37.25 v1(62.34,37.25) ; U3.17 104.17,72.08 105.05,71.19 C3.2 104.38,68.52 v1(103.51,69.39) ; v1(7.31,18.09) 7.69,17.71 U6.17 7.69,15.79 6.8,14.9 C13.2 ; v1(103.22,28.79) 104.27,28.79 C16.2 105.05,30.62 104.17,31.5 U7.17 ; v1(67.07,42.18) 67.19,42.31 R11.1 ; C4.2 154.21,15.24 155.09,16.12 U5.17 155.09,17.91 v1(154.81,18.19) ; U1.9 45.47,96.52 v2(44.46,97.53) ; v1(62.03,41.62) 61.71,41.94 C12.2 R12.2 58.88,44.91 v1(58.81,44.98) ; v1(103.21,49.09) 103.97,48.33 C2.2 105.05,50.94 104.17,51.82 U4.17 ; v1(103.31,8.89) 104.51,7.69 C15.2 105.05,10.3 104.17,11.18 U11.17
  Bottom w0.305: v1(44.52,39.94) 44.1,39.51 U9.19 ; v2(84.51,83.47) 84.31,83.67 C17.2 92.47,84.77 93.47,83.77 U12.17
  Bottom w0.457: v2(41.06,72.41) 44.05,72.41 v2(44.1,72.46) ; v2(37.7,29.28) 38.07,29.28 39.03,28.32 v2(39.78,28.32) ; v1(83.68,38.47) v1(80.12,38.47) ; v1(83.93,34.16) v1(80.12,34.16) ; v2(154.21,34.31) v2(154.21,35.27) v2(154.21,36.29) JP3.2 JP2.2 ; R45.1 152.5,23.29 JP1.2 ; v1(65.54,42.33) 64.07,42.33 v1(63.65,41.91)
  Bottom w0.635: v1(64.22,21.71) v1(70.37,21.71) ; v2(5.21,49.83) v2(5.95,50.57) 6.59,51.21 v1(6.61,51.21) 6.61,51.91 11.04,56.34 v2(11.32,56.34) v2(12.32,56.34) 13.27,56.34 v1(13.28,56.33) ; v3(141.11,56.49) 141.16,56.44 C14.1 ; v2(98.22,20.9) v2(105.2,20.9) ; C14.1 v3(143.91,54.19) ; C14.1 141.16,51.94 v3(141.11,51.89) ; v1(43.55,21.25) 43.5,21.2 v1(41.06,21.2) v1(38.72,21.2) ; v3(149.62,22.09) v3(150.73,22.09) v3(152.01,22.09) 151.99,22.11 JP1.2 ; v1(58.81,44.98) 58.81,45.36 v1(58.3,45.87)
  Bottom w0.914: v3(140.18,106.1) v3(140.18,104.83) v3(140.18,101.66) v3(140.18,100.39)
  Bottom w1.829: R1.2 v3(73.51,94.04) v3(73.51,95.31) v3(73.51,96.58)
  vias: v2(99.49,20.9) v2(103.93,20.9)
GND: length 260.3
  Top w0.203: v1(150.89,82.06) 150.84,82.02 D108.2 ; 161.6,79.88 161.6,80.75 v1(161.55,80.79) ; D45.2 56.72,34.86 56.72,37.42 57.16,37.86 v1(57.41,37.86)
  Top w0.305: D45.2 57.37,33.5 v1(57.16,33.29) ; D33.2 45.77,56.15 45.54,56.38 v1(45.08,56.38) ; D24.2 38.83,19.03 v1(38.75,18.94) ; D68.2 v1(85.1,93.23) ; v1(65.91,34.8) 64.57,36.14 64.57,36.95 ; 57.37,19.98 57.37,19.11 v1(57.41,19.07) ; v1(64.53,14.5) 64.57,14.45 64.57,13.58 ; D1.2 13.21,28.84 v1(13.22,28.85) ; v1(15.5,53.1) 15.46,53.06 D6.2 ; D25.2 v1(37.65,34.46) ; v1(64.47,30.44) 64.86,30.44 65.69,31.26 ; 65.69,31.26 v1(67.76,31.26) ; 65.69,31.26 D56.2 ; D29.2 v1(38.36,70.25) ; v1(14.49,94.63) 14.48,94.64 D13.2 ; D116.2 164.05,48.07 v1(164.09,48.02) ; 96.74,12.87 96.74,12 v1(96.78,11.96) ; D110.2 152.2,66.52 v1(152.16,66.57) ; v1(27.19,33.55) 27.23,33.5 D20.2 ; v1(151.65,96.54) 151.61,96.58 D105.2 ; D14.2 14.48,97.94 v1(14.49,97.94) ; D53.2 64.57,56.15 64.31,56.41 v1(63.51,56.41) ; 45.77,36.95 45.77,37.65 v1(45.98,37.86) ; D86.2 163.54,66.61 v1(163.59,66.57) ; v1(163.59,70.88) 163.5,70.97 D117.2 ; v1(57.41,70.88) 57.37,70.93 57.37,71.8 ; D27.2 38.83,52 v1(38.87,51.96) ; v1(45.08,75.43) 45.8,75.43 46.03,75.2 D31.2 ; v1(57.41,51.83) 57.37,51.88 D47.2 ; D98.2 96.74,36.64 v1(96.78,36.59) ; v1(76.46,37.86) 76.42,37.91 D62.2 ; v1(45.73,33.55) 45.77,33.5 D36.2 ; v1(76.46,51.83) 76.42,51.88 D63.2 ; D8.2 4.54,75.41 v1(4.58,75.46) ; v1(96.78,56.91) 96.74,56.96 D100.2 ; v1(11.66,53.68) 11.63,53.66 D4.2 ; D67.2 85.1,97.4 84.93,97.56 v1(83.83,97.56) ; v1(18.26,41.88) 17.69,42.45 D5.2 ; v1(155.2,29.99) 155.29,30.07 D113.2 ; v1(96.78,97.55) 96.74,97.6 96.74,98.47 ; D109.2 152.2,70.84 v1(152.16,70.88) ; D17.2 27.23,56.15 26.97,56.41 v1(26.05,56.41) ; 85.14,31.36 85.14,32.23 v1(85.1,32.28) ; v1(27.19,18.94) 27.23,18.9 D21.2 ; D93.2 85.14,16.01 84.88,16.27 v1(84.08,16.27) ; v1(45.73,51.83) 45.77,51.79 D34.2 ; v1(153.17,51.07) 153.21,51.03 D111.2 ; D2.2 7.75,28.84 v1(7.76,28.85) ; D114.2 160.75,28.93 v1(160.79,28.97) ; D50.2 57.37,75.67 v1(57.16,75.46) ; D103.2 96.74,93.28 v1(96.78,93.24) ; v2(3.22,36.91) 3.07,36.91 D3.2 ; 76.42,19.98 76.42,19.11 v1(76.46,19.07) ; 45.77,13.58 45.77,14.45 v1(45.73,14.5) ; v1(76.46,14.5) 76.42,14.54 D59.2 ; v1(76.46,75.46) 76.42,75.5 D66.2 ; D11.2 5.96,83.44 v1(5.98,83.46) ; v1(12.58,83.46) 12.57,83.44 D10.2 ; v1(97.04,72.92) 96.74,73.21 D101.2 ; D23.2 38.83,14.58 v1(38.75,14.5) ; D46.2 57.37,37.91 v1(57.41,37.86) ; D51.2 64.57,73.64 v1(65.54,72.66) ; v1(15.9,62.83) 15.76,62.97 D9.2 ; D15.2 27.23,75.2 26.97,75.46 v1(25.92,75.46) ; D52.2 64.57,70.84 v1(64.53,70.88) ; v1(96.78,32.28) 96.74,32.32 D97.2 ; v1(26.05,37.99) 26.97,37.99 27.23,37.73 D19.2 ; D65.2 76.42,70.67 v1(76.46,70.63) ; D102.2 96.74,77.28 v1(96.78,77.23) ; v1(64.53,51.83) 64.57,51.79 D54.2 ; D28.2 38.83,56.49 v1(38.75,56.41) ; D89.2 85.1,56.65 84.84,56.91 v1(83.83,56.91) ; D61.2 76.42,33.33 v1(76.46,33.29) ; v1(76.46,56.41) 76.42,56.45 D64.2 ; v1(152.41,38.37) 152.18,38.37 151.67,37.86 151.14,37.86 151.18,37.82 151.18,36.95 ; D94.2 85.14,11.91 v1(85.1,11.96) ; v1(46.11,70.12) 46.03,70.04 D32.2 ; v1(27.32,51.96) 27.23,51.88 D18.2 ; v1(44.46,18.98) 44.58,18.86 45.72,18.86 45.77,18.81 D41.2 ; 27.23,13.58 27.23,11.36 v1(26.17,10.31) ; D30.2 38.32,75.5 v1(38.36,75.46) ; v1(57.41,56.41) 57.37,56.45 D48.2 ; 27.23,69.46 27.23,70.33 v1(27.19,70.38) ; D106.2 v1(165.91,91.42) ; D12.2 7.03,95.62 v1(7,95.65) ; v1(57.16,14.5) 57.37,14.71 D43.2 ; v1(65.54,20.59) 65.54,19.13 D57.2 ; D96.2 96.74,16.32 v1(96.78,16.27) ; v1(36.03,41.17) 38.29,38.91 D26.2 ; D88.2 v1(85.1,72.92) ; v1(83.83,77.23) 84.49,77.23 85.1,76.62 85.1,76.32 ; D115.2 164.05,38.92 v1(164.09,38.88) ; D7.2 3.27,61.7 v1(3.31,61.74) ; D91.2 85.1,36.33 84.77,36.66 v1(83.85,36.66) ; 85.1,51.68 v1(85.1,52.6)
  Top w0.457: v1(48.04,35.5) 46.59,36.95 45.77,36.95 ; D57.2 64.88,18.15 65.39,17.65 v1(65.39,16.38) ; v1(37.65,34.46) 37.6,34.51 v1(37.6,38.63) 37.6,38.73 38.03,39.16 ; v1(26.05,37.99) 27.87,37.99 28.05,38.17 v1(28.05,41.27) ; v1(96.73,52.55) 96.74,52.55 D99.2
  Top w0.635: v2(149.79,31.39) 151.14,30.04 151.14,25.92 v2(151.61,25.46) ; v2(158.84,35.27) v2(158.84,34.36) v2(158.84,31.46) v2(158.84,30.52)
  Top w0.914: v3(91.29,17.2) v3(91.29,15.93) v3(91.29,13.39) v3(91.29,12.12)
  Bottom w0.203: C16.1 106.9,28.07 106.9,34.41 107.8,35.31 U7.6 ; U6.6 11.5,12.2 9.91,13.79 4.93,13.79 C13.1 ; 30.03,27.55 29.48,28.11 U13.3 29.48,30.07 29.35,30.07 29.21,30.21 28.74,30.21 28.6,30.07 28.48,30.07 U13.1 26.65,29.18 26.59,29.12 ; 42.67,94.52 U1.5 ; 106.72,89.33 C1.1 ; C2.1 106.84,48.44 106.84,54.67 107.8,55.63 U4.6 ; U10.25 71.07,8.04 71.07,7.75 71.12,7.7 U10.19 71.57,6.85 C7.1 ; U3.6 107.9,75.89 106.9,74.88 106.9,68.58 C3.1 ; U11.6 107.84,14.99 106.9,14.05 106.9,7.75 C15.1 ; 151.65,13.4 158,13.4 158.9,12.49 U5.6
  Bottom w0.305: R6.2 149.4,31 v2(149.79,31.39) ; C5.1 16.75,36.2 16.57,36.38 ; U12.6 89.66,87.2 89.13,86.67 C17.1 ; C19.1 25.47,28.96 C18.1 ; C1.1 106.46,89.59 106.46,95.73 107.28,96.55 108.54,96.55 ; J4.3 16.66,26.31 C8.1 ; J8.3 16.73,31.46 C6.1 ; 63.72,29.7 v1(64.47,30.44)
  Bottom w0.457: v1(45.73,33.55) 46.12,33.55 48.04,35.47 v1(48.04,35.5) ; D37.1 153.54,25.46 v2(151.61,25.46) 151.24,25.82 Q8.2
  Bottom w0.635: 58.28,8.2 58.28,7.84 MC1.23 ; 17.78,37.58 16.57,36.38
